# Altium PCB OpenPLCv0.2.0.PcbDoc (part 2 of 6) (continued)
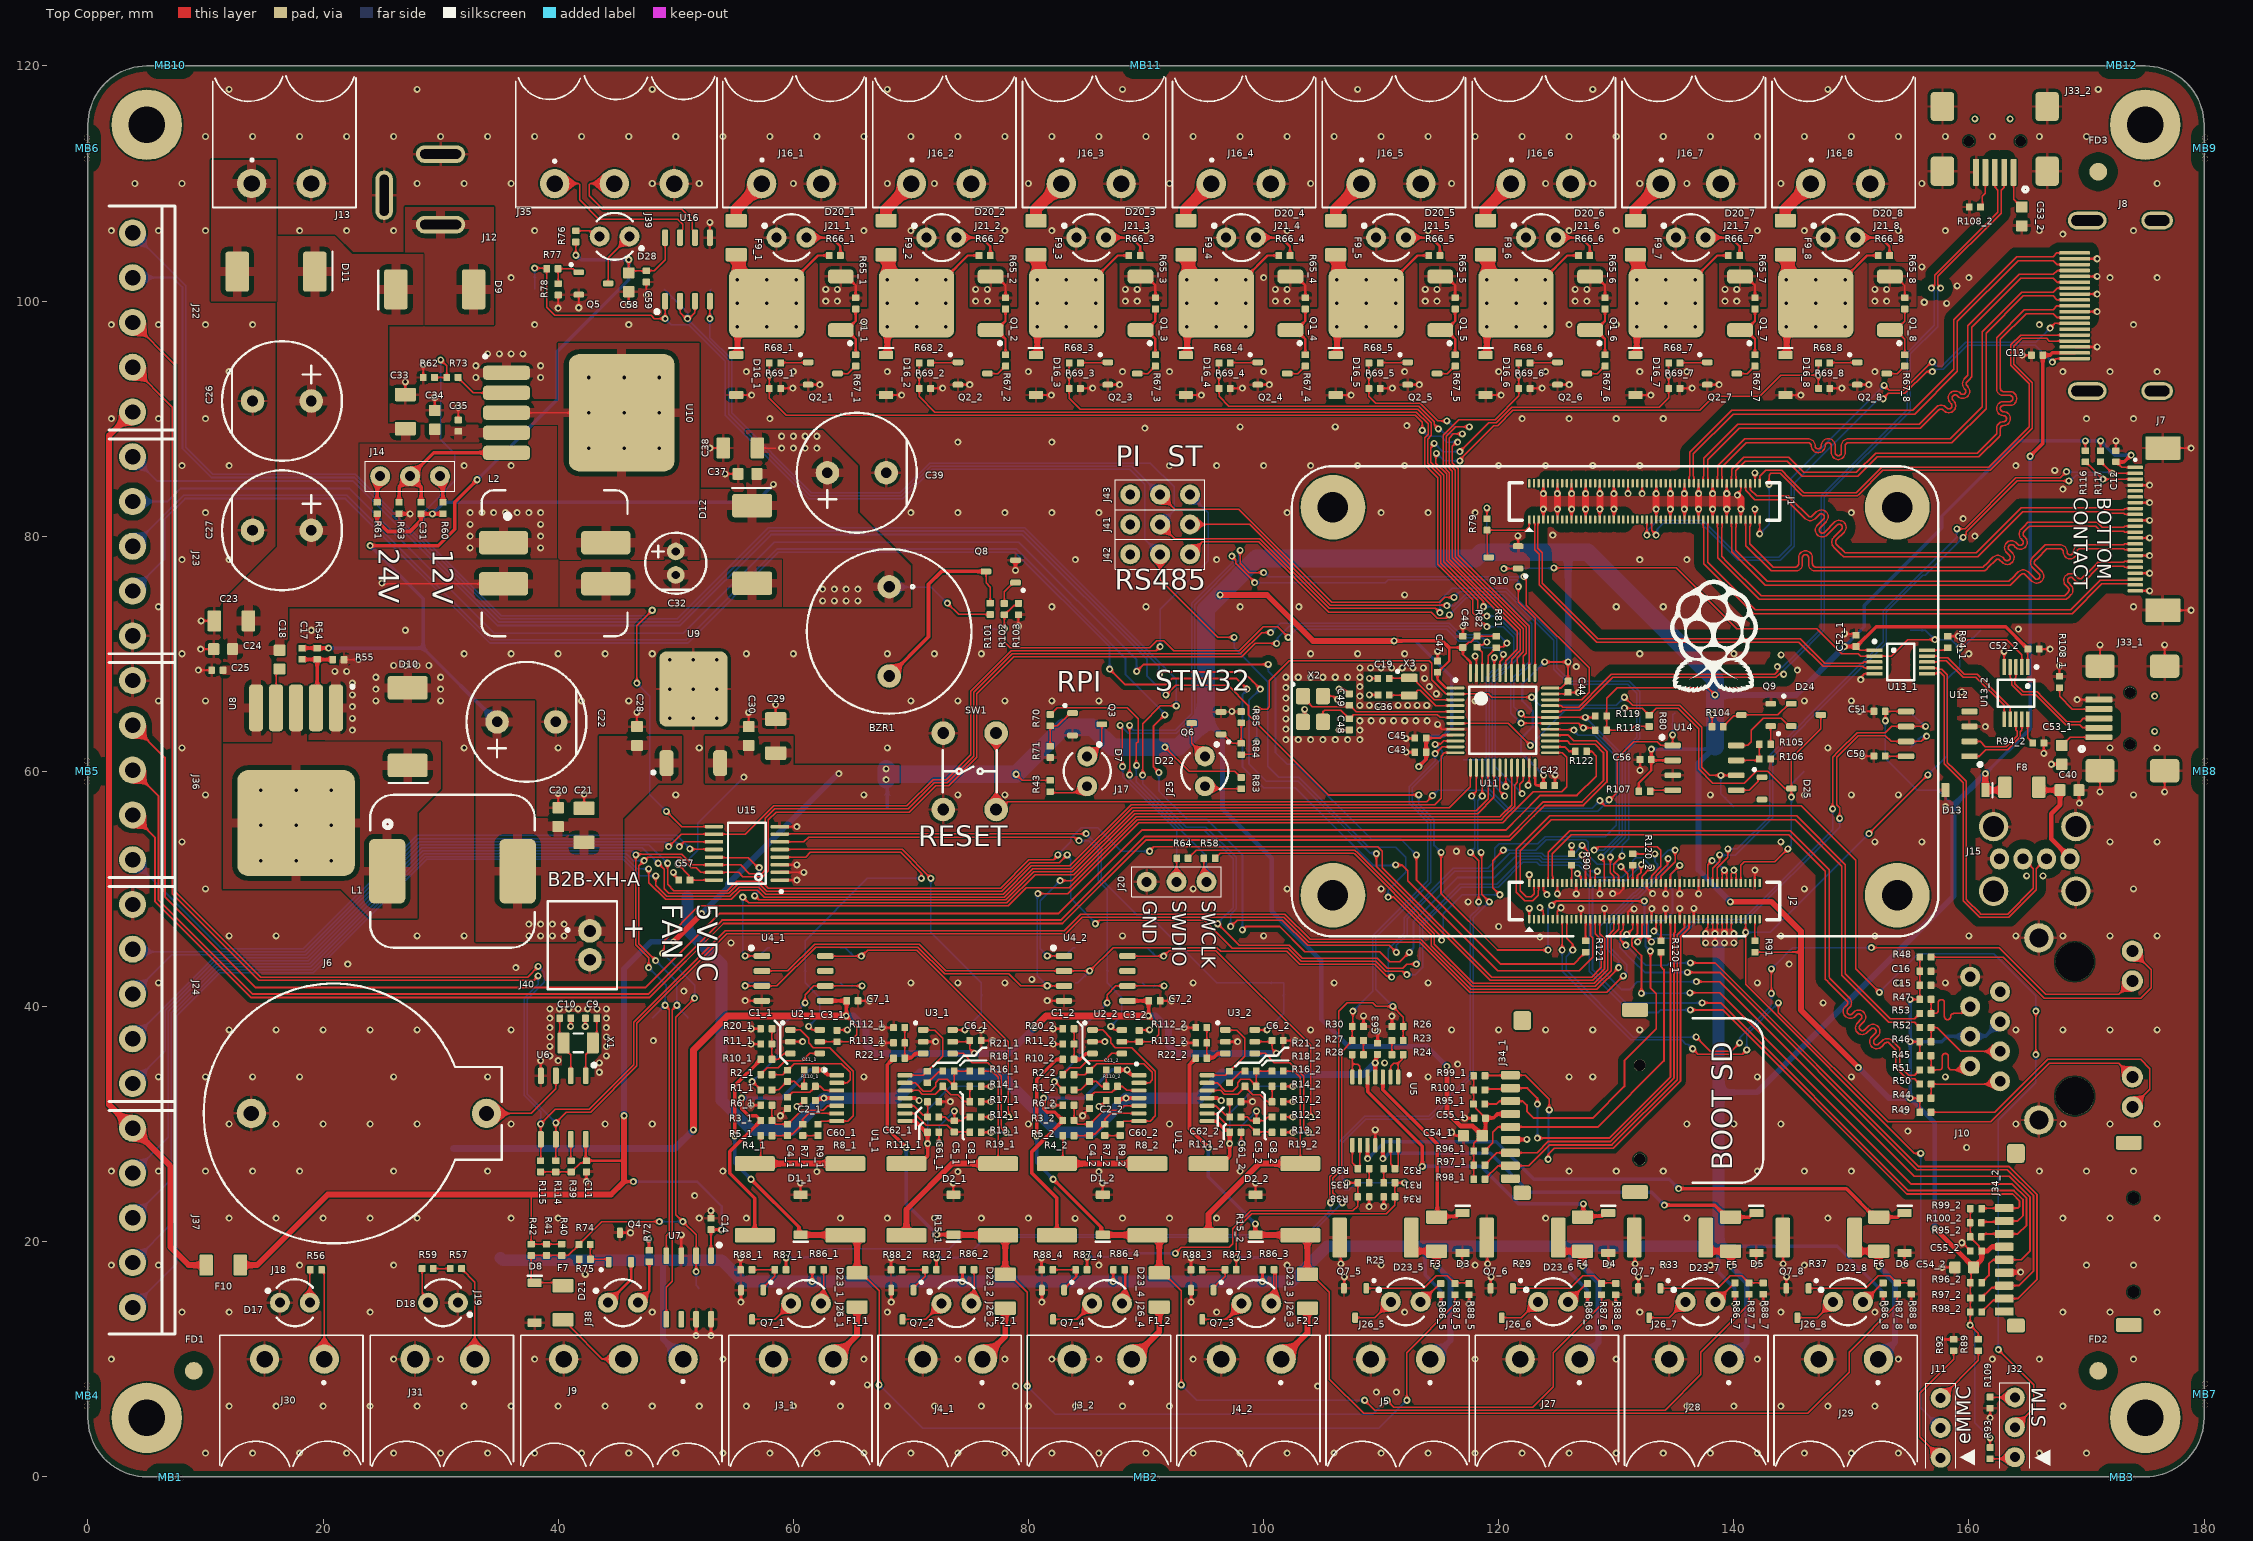
[diagram p0: Top Copper view]
## Footprints (in the part's own frame and the unit in brackets; to place one, negate y for a bottom-side part, rotate by r counter-clockwise, add the part's x,y. Pads: shape width x height; smd on the part's side, far side on the other; paste and mask are expansions set on the pad) (continued)
  silkscreen extent -2.6,-11.5 1.6,11.5, body extent -1.69,-11.3 1.69,11.3, height 2.89
DO-214AB [mm]
  rrect20% 2x3.4 smd: 1(3.3,0) 2(-3.3,0)
  silkscreen extent -4.8,-1.7 -4.8,1.6, body extent -4.08,-3.1 3.97,3.15, height 2.89
Electrolytic_D5mm_H11mm [mm]
  round 1.5 hole 0.7: 1(0,-1) 2(0,1)
  silkscreen extent -2.6,-2.6 2.6,2.6, body extent -2.5,-2.5 2.5,2.5, height 11
Electrolytic_D10mm_H12.5mm [mm]
  round 2 hole 0.9: 1(0,-2.5) 2(0,2.5)
  silkscreen extent -5.1,-5.1 5.1,5.1, body extent -5,-5 5,5, height 12.5
FIDUCIAL [mm]
  round 1.5 smd paste-2539.97 mask+0.65: FID(0,0)
  round 1.5 smd far side paste-2539.97 mask+0.65: FID(0,0)
HDMI-001 [mm] "BOOMELE(Boom Precision Elec) HDMI-001"
  oval 2.7x1.5 hole 0.9 slot 2.1 at 0 deg: 0(-7.01,11.75) 0(-7.01,-2.75)
  oval 3.3x1.5 hole 0.9 slot 2.7 at 0 deg: 0(-1.06,11.75) 0(-1.06,-2.75)
  rrect50% 2.6x0.3 smd: 1(0,0) 2(0,0.5) 3(0,1) 4(0,1.5) 5(0,2) 6(0,2.5) 7(0,3) 8(0,3.5) 9(0,4) 10(0,4.5) 11(0,5) 12(0,5.5) 13(0,6) 14(0,6.5) 15(0,7) 16(0,7.5) 17(0,8) 18(0,8.5) 19(0,9)
  body extent -11.05,-3 0.95,12, height 6.08
HEADER_3POS [mm]
  round 1.7 hole 0.85: 1(0,0) 2(2.54,0) 3(5.08,0)
  silkscreen extent -1.27,-1.27 5.99,1.27, body extent -1.27,-1.27 6.35,1.27, height 11.04
Header_3POS [mm]
  round 1.7 hole 0.85: 1(0,0) 2(2.54,0) 3(5.08,0)
  silkscreen extent -1.27,-1.27 6.35,1.27, body extent -1.27,-1.27 6.35,1.27, height 11.04
HM78D-128470MLFTR [mm]
  rrect30% 2x4.2 smd: 1(1.75,4.35) 2(-1.75,4.35) 3(-1.75,-4.35) 4(1.75,-4.35)
  silkscreen extent -6.2,-6.2 6.2,6.2, body extent -6.25,-6.25 6.25,6.25, height 10.5
HR913550A [mm] "RJ45 12 1 Green - Yellow Through Hole Ethernet Connectors/Modular Connectors (RJ45 RJ11) RoHS"
  round 2.5 hole 1.63: 0(-12.195,3.3) 0(3.295,3.3)
  round 3.25 hole 3.25 unplated: 0(-10.165,6.35) 0(1.265,6.35)
  round 1.7 hole 0.89: 1(0,0) 2(-1.27,-2.54) 3(-2.54,0) 4(-3.81,-2.54) 5(-5.08,0) 6(-6.35,-2.54) 7(-7.62,0) 8(-8.89,-2.54)
  round 1.8 hole 1.02: 9(2.175,11.25) 10(-0.365,11.25) 11(-8.535,11.25) 12(-11.075,11.25)
  body extent -12.55,-4.23 3.61,17.12, height 13.75
K2-1102DP-O4SW-04 [mm]
  round 2 hole 1: 1(-3.25,2.25) 2(3.25,2.25) 3(3.25,-2.25) 4(-3.25,-2.25)
  silkscreen extent -1.8,-2.3 1.8,2.3, body extent -3,-3 3,3, height 11
LED_3MM_SPACED_6.4MM_BLUE [mm]
  round 1.7 hole 0.85: A(1.27,0) K(-1.27,0)
  silkscreen extent -2.44,-2 1.53,2, body extent -1.57,-1.92 1.93,1.92, height 11.79
LED_3MM_SPACED_6.4MM_GREEN [mm]
  round 1.7 hole 0.85: A(1.27,0) K(-1.27,0)
  silkscreen extent -2.44,-2 1.53,2, body extent -1.57,-1.92 1.92,1.92, height 11.79
LED_3MM_SPACED_6.4MM_RED [mm]
  round 1.7 hole 0.85: A(1.27,0) K(-1.27,0)
  silkscreen extent -2.44,-2 1.53,2, body extent -1.57,-1.92 1.93,1.92, height 11.79
LED_3MM_SPACED_6.4MM_YELLOW [mm]
  round 1.7 hole 0.85: A(1.27,0) K(-1.27,0)
  silkscreen extent -2.44,-2 1.53,2, body extent -1.57,-1.92 1.93,1.92, height 11.79
LQFP32_7X7 [mm]
  oval 1.55x0.25 smd: 1(-4.025,2.75) 2(-4.025,2.25) 3(-4.025,1.75) 4(-4.025,1.25) 5(-4.025,0.75) 6(-4.025,0.25) 7(-4.025,-0.25) 8(-4.025,-0.75) 9(-4.025,-1.25) 10(-4.025,-1.75) 11(-4.025,-2.25) 12(-4.025,-2.75) 25(4.025,-2.75) 26(4.025,-2.25) 27(4.025,-1.75) 28(4.025,-1.25) 29(4.025,-0.75) 30(4.025,-0.25) 31(4.025,0.25) 32(4.025,0.75) 33(4.025,1.25) 34(4.025,1.75) 35(4.025,2.25) 36(4.025,2.75)
  oval 0.25x1.55 smd: 13(-2.75,-4.025) 14(-2.25,-4.025) 15(-1.75,-4.025) 16(-1.25,-4.025) 17(-0.75,-4.025) 18(-0.25,-4.025) 19(0.25,-4.025) 20(0.75,-4.025) 21(1.25,-4.025) 22(1.75,-4.025) 23(2.25,-4.025) 24(2.75,-4.025) 37(2.75,4.025) 38(2.25,4.025) 39(1.75,4.025) 40(1.25,4.025) 41(0.75,4.025) 42(0.25,4.025) 43(-0.25,4.025) 44(-0.75,4.025) 45(-1.25,4.025) 46(-1.75,4.025) 47(-2.25,4.025) 48(-2.75,4.025)
  silkscreen extent -4.15,-2.85 2.85,3.55, body extent -4.5,-4.5 4.5,4.5, height 1
MOUSEBITE [mm]
  round 0.5 hole 0.5 unplated: NC(-0.9,-0.1) NC(0.9,-0.1)
  round 0.3 hole 0.3 unplated: NC(-0.4,0) NC(0,0) NC(0.4,0)
MSOP-10 [mm] "TSSOP, 10-Leads, Body 3.00x3.00mm, Pitch 0.50mm, IPC Medium Density"
  rrect30% 1.35x0.3 smd: 1(-2.225,1) 2(-2.225,0.5) 3(-2.225,0) 4(-2.225,-0.5) 5(-2.225,-1) 6(2.225,-1) 7(2.225,-0.5) 8(2.225,0) 9(2.225,0.5) 10(2.225,1)
  silkscreen extent -2.35,-1.55 1.15,1.87, body extent -2.45,-1.5 2.45,1.5, height 1
PAD#1 [mm]
  round 2 smd: 1(0,0)
PAD#2 [mm]
  round 2 smd: 1(-1,-2)
PAD#3 [mm]
  round 2 smd: 1(0,-2)
SFN-1407PA7.6 [mm]
  round 2 hole 1: 1(0,3.8) 2(0,-3.8)
  silkscreen extent -7,-7 7,7, body extent -7,-7 7,7, height 7
SMD_CAP_0402(1005)_N [mm]
  rrect20% 0.57x0.62 smd: 1(-0.48,0) 2(0.48,0)
  body extent -0.5,-0.25 0.5,0.25, height 0.5
SMD_CAP_0603(0201)_N [mm]
  rrect20% 0.95x1 smd: 1(-0.8,0) 2(0.8,0)
  body extent -0.8,-0.4 0.8,0.4, height 0.8
SMD_CAP_1206(3216)_N [mm]
  rrect20% 1.15x1.8 smd: 1(-1.45,0) 2(1.45,0)
  body extent -1.6,-0.8 1.6,0.8, height 1.6
SMD_RES_0402(1005)_N [mm]
  rrect20% 0.57x0.62 smd: 1(-0.48,0) 2(0.48,0)
  body extent -0.75,-0.25 0.75,0.25, height 0.35
SMD_RES_1206(3216)_N [mm]
  rrect20% 1.15x1.8 smd: 1(-1.45,0) 2(1.45,0)
  body extent -1.9,-0.8 1.9,0.8, height 0.6
SMD_RES_2512(6432)_N [mm]
  rrect20% 1.25x3.4 smd: 1(-3.05,0) 2(3.05,0)
  body extent -3.4,-1.55 3.4,1.55, height 0.6
SOD-123FL [mm]
  rrect20% 0.7x1.2 smd: 1(1.7,0) 2(-1.7,0)
  silkscreen extent -2.3,-0.6 -2.3,0.6, body extent -1.81,-0.85 1.81,0.85, height 0.9
SOIC-8-3.9MM [mm]
  rrect50% 1.4x0.5 smd: 1(-2.7,1.905) 2(-2.7,0.635) 3(-2.7,-0.635) 4(-2.7,-1.905) 5(2.7,-1.905) 6(2.7,-0.635) 7(2.7,0.635) 8(2.7,1.905)
  silkscreen extent -3.75,2.45 -3.45,2.75, body extent -2.99,-2.45 2.99,2.45, height 1.35
SOT23-3 [mm]
  rrect50% 0.9x0.5 smd: 1(-1.25,0.95) 2(-1.25,-0.95) 3(1.25,0)
  silkscreen extent -2,1.5 -1.8,1.7, body extent -1.25,-1.5 1.25,1.5, height 1.1
SOT23-6 [mm]
  rrect50% 0.9x0.5 smd: 1(-1.25,1) 2(-1.25,0) 3(-1.25,-1) 4(1.25,-1) 5(1.25,0) 6(1.25,1)
  silkscreen extent -2,1.5 -1.8,1.7, body extent -1.42,-1.5 1.42,1.5, height 1.2
TMPC1206HP-470MG-D [mm] "47uH ±20% 5.5A 80mO SMD,13.5x12.5x5.7mm Power Inductors RoHS"
  rrect30% 3.1x5.5 smd: 1(-5.55,0) 2(5.55,0)
  silkscreen extent -7,-6.5 7,6.5, body extent -6.75,-6.25 6.75,6.25, height 5.7
TO-252 [mm]
  rrect50% 1.2x2.2 smd: 1(-2.28,-6.3) 3(2.28,-6.3)
  rrect20% 5.8x6.4 smd: 2(0,0)
  silkscreen extent -3.54,-7.24 -3.26,-6.96, body extent -3.35,-6.6 3.15,2.5, height 2.4
TO-263-5 [mm] "5 lead TO-263"
  rrect50% 1.2x4 smd: 1(-3.4,-4.9) 2(-1.7,-4.9) 3(0,-4.9) 4(1.7,-4.9) 5(3.4,-4.9)
  rrect20% 10x9 smd: 6(0,4.9)
  silkscreen extent -4.94,-6.84 -4.66,-6.56, body extent -4.91,-5.96 4.91,8.64, height 4.22
TSSOP-14 [mm]
  rrect50% 1.26x0.36 smd: 1(-2.9,1.95) 2(-2.9,1.3) 3(-2.9,0.65) 4(-2.9,0) 5(-2.9,-0.65) 6(-2.9,-1.3) 7(-2.9,-1.95) 8(2.9,-1.95) 9(2.9,-1.3) 10(2.9,-0.65) 11(2.9,0) 12(2.9,0.65) 13(2.9,1.3) 14(2.9,1.95)
  silkscreen extent -4,2.3 -3.8,2.5, body extent -3.15,-2.5 3.15,2.5, height 1
TSSOP-16 [mm]
  rrect50% 1.55x0.3 smd: 1(-2.8,2.275) 2(-2.8,1.625) 3(-2.8,0.975) 4(-2.8,0.325) 5(-2.8,-0.325) 6(-2.8,-0.975) 7(-2.8,-1.625) 8(-2.8,-2.275) 9(2.8,-2.275) 10(2.8,-1.625) 11(2.8,-0.975) 12(2.8,-0.325) 13(2.8,0.325) 14(2.8,0.975) 15(2.8,1.625) 16(2.8,2.275)
  silkscreen extent -3.03,-2.6 1.6,3.35, body extent -3.15,-2.5 3.15,2.5, height 1
WJ124-3.81-5P_BoardEdgeAlt [mm] "Ningbo Kangnex Elec WJ124-3.81-5P"
  round 2.3 hole 1.3: 1(-7.62,0) 2(-3.81,0) 3(0,0) 4(3.81,0) 5(7.62,0)
  silkscreen extent -9.9,-3.6 9.9,2, body extent -9.87,-4.1 9.68,4.1, height 12.7
X05B20L22T [mm]
  rrect50% 1.3x0.3 smd: 1(0,5.25) 2(0,4.75) 3(0,4.25) 4(0,3.75) 5(0,3.25) 6(0,2.75) 7(0,2.25) 8(0,1.75) 9(0,1.25) 10(0,0.75) 11(0,0.25) 12(0,-0.25) 13(0,-0.75) 14(0,-1.25) 15(0,-1.75) 16(0,-2.25) 17(0,-2.75) 18(0,-3.25) 19(0,-3.75) 20(0,-4.25) 21(0,-4.75) 22(0,-5.25)
  rrect10% 3x2 smd: MNT1(2.35,6.9) MNT2(2.35,-6.9)
  silkscreen extent -0.1,5.8 0.1,6, body extent 0.7,-8.6 5.2,8.6, height 2
XKTF-N02-N [mm] "XKB Enterprise XKTF-N02-N SMD Card Sockets Connectors RoHS"
  rrect30% 0.7x1.6 smd: 1(0,0) 2(-1.1,0) 3(-2.2,0) 4(-3.3,0) 5(-4.4,0) 6(-5.5,0) 7(-6.6,0) 8(-7.7,0) CD(-8.8,0)
  round 1 hole 1 unplated: NC(-7.15,-11) NC(0.85,-11)
  rrect30% 1.2x1.5 smd: S1(-10,-1)
  rrect30% 1.2x2.2 smd: S2(-9.95,-10.6) S3(5.55,-10.6)
  rrect30% 1.6x1.5 smd: S4(4.65,-1)
  body extent -9.57,-15 5.17,-0.5, height 1

## Part data
BZR1: "Piezo YES 3300±500Hz 85dB @ 24V, 10cm 24V Φ23.5mm Through Hole Buzzers RoHS"
C1_1 C1_2 C4_1 C4_2 C5_1 C5_2 C8_1 C8_2 C41_1 C41_2 C47 C60_1 C60_2 C61_1 C61_2 C62_1 C62_2: library part "10nF 0402 50V 10%", "10nF ±10% 50V X7R 0402 Multilayer Ceramic Capacitors MLCC - SMD/SMT RoHS", Capacitance=10nF, Package=0402, Tolerance=10%, Voltage Rating=50V
C2_1 C2_2 C9 C10 C15 C16 C25 C35 C63: library part "100nF 0402 50V 10%", "100nF ±10% 50V X5R 0402 Multilayer Ceramic Capacitors MLCC - SMD/SMT RoHS", Capacitance=100nF, Package=0402, Tolerance=10%, Voltage Rating=50V
C3_1 C3_2 C6_1 C6_2 C7_1 C7_2 C11 C12 C13 C14 C42 C43 C44 C45 C46 C50 C51 C52_1 C52_2 C55_1 C55_2 C56 C57 C59: library part "100nF 0402 10V 10%", "100nF ±10% 10V X5R 0402 Multilayer Ceramic Capacitors MLCC - SMD/SMT RoHS", Capacitance=100nF, Package=0402, Tolerance=10%, Voltage Rating=10V
C17 C31: library part "33nF 0402 50V 10%", "33nF ±10% 50V X7R 0402 Multilayer Ceramic Capacitors MLCC - SMD/SMT RoHS", Capacitance=33nF, Package=0402, Tolerance=10%, Voltage Rating=50V
C18 C20 C24 C28 C30 C34 C37 C54_1 C54_2 C58: library part "1uF 0603 50V 10%", "1uF ±10% 50V X5R 0603 Multilayer Ceramic Capacitors MLCC - SMD/SMT RoHS", Capacitance=1uF, Package=0603, Tolerance=10%, Voltage Rating=50V
C19 C36: library part "20pF 0402 50V 5%", "20pF ±5% 50V NP0 0402 Multilayer Ceramic Capacitors MLCC - SMD/SMT RoHS", Capacitance=20pF, Package=0402, Tolerance=5%, Voltage Rating=50V
C21 C23 C29 C33 C38: library part "10uF 1206 50V 10%", "10uF ±10% 50V X5R 1206 Multilayer Ceramic Capacitors MLCC - SMD/SMT RoHS", Capacitance=10uF, Package=1206, Tolerance=10%, Voltage Rating=50V
C22 C26 C27 C39: "5mm 220uF 50V 12.5mm 2000hrs 85℃ ±20% 10mm Radial Leaded,10x12.5mm Aluminum Electrolytic Capacitors - Leaded ROHS", Capacitance=220uF, Tolerance=20%, Voltage Max=35V
C32: "2mm 22uF 50V ±20% 5mm 11mm 79mA 120Hz 1000hrs 105℃ Radial Leaded,5x11mm Aluminum Electrolytic Capacitors - Leaded ROHS", Capacitance=22uF, Tolerance=20%, Voltage Max=35V
C40 C53_1 C53_2: library part "4.7uF 0603 10V 10%", "4.7uF ±10% 10V X5R 0603 Multilayer Ceramic Capacitors MLCC - SMD/SMT RoHS", Capacitance=4.7uF, Package=0603, Tolerance=10%, Voltage Rating=10V
C48 C49: library part "12pF 0402 50V 5%", "12pF ±5% 50V NP0 0402 Multilayer Ceramic Capacitors MLCC - SMD/SMT RoHS", Capacitance=12pF, Package=0402, Tolerance=5%, Voltage Rating=50V
D1_1 D1_2 D2_1 D2_2 D3 D4 D5 D6 D16_1 D16_2 D16_3 D16_4 D16_5 D16_6 D16_7 D16_8: "Unidirectional 22V 24.4V 35.5V 5.6A SOD-123F TVS RoHS"
D7 D22: "LED 3mm Blue 460nm~470nm 2.7V~3.6V Through Hole Light Emitting Diodes (LED) RoHS C330760"
D8: "Unidirectional 3.3V 5.2V 8V 25A SOD-123 TVS RoHS"
D9 D10 D11 D12: "60V 10A 850mV @ 10A SMC(DO-214AB) Schottky Barrier Diodes (SBD) RoHS"
D13: "Unidirectional 5V 6.4V 9.2V 21.8A SMF(SOD123FL) TVS RoHS"
D17 D18: "LED 3mm Red 620nm~630nm 1.8V~2.6V Through Hole Light Emitting Diodes (LED) RoHS C331031"
D20_1 D20_2 D20_3 D20_4 D20_5 D20_6 D20_7 D20_8 D23_1 D23_2 D23_3 D23_4 D23_5 D23_6 D23_7 D23_8: "LED 3mm Green 515nm~530nm 1.8V~3.6V Through Hole Light Emitting Diodes (LED) RoHS C330751"
D21 D28: "600nm~610nm 1.8V~2.6V - - Through Hole Light Emitting Diodes (LED) ROHS 3mm"
D24 D25: "30V 200mA 320mV @ 1mA SOT-23(SOT-23-3) Schottky Barrier Diodes (SBD) RoHS"
F1_1 F1_2 F2_1 F2_2 F3 F4 F5 F6 F7: "60V 150mA 1.5s 1206 PTC Resettable Fuses RoHS"
F8 F9_1 F9_2 F9_3 F9_4 F9_5 F9_6 F9_7 F9_8 F10: "Polymeric 30V 500mA 0.08s 700mΩ 1206 PTC Resettable Fuses RoHS"
J1 J2: "Conn Board to Board RCP 100 POS 0.4mm Solder ST SMD T/R"
J3_1 J3_2 J4_1 J4_2 J5 J13 J16_1 J16_2 J16_3 J16_4 J16_5 J16_6 J16_7 J16_8 J27 J28 J29 J30 J31: "Covered（4Sided） 2 1 0.200\"（5.08mm） 2 P=5.08mm Pluggable System Terminal Block RoHS"
J6: "DIP Battery Box/Battery Holders ROHS"
J7: "22 0.020\"（0.50mm） 0.079\"（2.00mm） Slide Lock Contact,Bottom SMD,P=0.5mm FFC, FPC Connectors ROHS"
J8: "BOOMELE(Boom Precision Elec) HDMIconnector 19 Female Horizontal SMD Audio & Video Connectors RoHS"
J9 J35: "Covered（4Sided） 3 1 0.200\"（5.08mm） 3 P=5.08mm Pluggable System Terminal Block RoHS"
J10: "RJ45 12 1 Green - Yellow Through Hole Ethernet Connectors/Modular Connectors (RJ45 RJ11) RoHS"
J11 J14 J20 J32 J41 J42 J43: library part "3-way Jumper", "Pin Header 3 1 right-angle，180degrees 2.54mm Through Hole,P=2.54mm Pin Header & Female Header RoHS"
J12: "Through Hole AC/DC Power Plugs & Receptacles RoHS"
J15: "USB - Type A Female USB 2 4 Through Hole USB Connectors RoHS"
J17 J18 J19 J21_1 J21_2 J21_3 J21_4 J21_5 J21_6 J21_7 J21_8 J25 J26_1 J26_2 J26_3 J26_4 J26_5 J26_6 J26_7 J26_8 J38 J39: "3mm LED spacer 6.4mm height"
J22 J23 J24 J36 J37: "5 Wiring Board - Line to Board 0.150\"(3.81mm) 5 1 P=3.81mm Screw terminal ROHS"
J33_1 J33_2: "USB - Mini B Female USB 2 5 SMD USB Connectors RoHS"
J34_1 J34_2: "XKB Enterprise XKTF-N02-N   / SMD Card Sockets Connectors RoHS"
J40: "Pin Header, Vertical, Wire-to-Board, 2.5 mm, 1 Rows, 2 Contacts, Through Hole Straight, XH Series"
L1: "47uH ±20% 5.5A 80mΩ SMD,13.5x12.5x5.7mm Power Inductors RoHS", Current Max=5.5A, DC Resistance=80mR, inductance=47uH, Saturation Current=7A, Size=13.5x12.5x5.7mm
L2: "Coupled Inductors 47uH 20%", Current Max=5.2A, DC Resistance=90mR, Parallel Inductance=47uH, Size=12.5x12.5x8.05mm
Q1_1 Q1_2 Q1_3 Q1_4 Q1_5 Q1_6 Q1_7 Q1_8: "P-Channel 30V 19A 3V @ 250uA 50mΩ @ 10A,10V 30W TO-252-2(DPAK) MOSFET RoHS"
Q2_1 Q2_2 Q2_3 Q2_4 Q2_5 Q2_6 Q2_7 Q2_8 Q3 Q5 Q6 Q7_1 Q7_2 Q7_3 Q7_4 Q7_5 Q7_6 Q7_7 Q7_8 Q8 Q9 Q10: "NPN 200mA 40V 250mW SOT-23(SOT-23-3) Transistors (NPN/PNP) RoHS"
Q4: "SOT-23(SOT-23-3) Bipolar Transistors - BJT ROHS PNP"
R1_1 R1_2 R2_1 R2_2 R3_1 R3_2 R5_1 R5_2 R12_1 R12_2 R13_1 R13_2 R14_1 R14_2 R16_1 R16_2 R26 R30 R34 R38 R39 R54 R56 R62 R66_1 R66_2 R66_3 R66_4 R66_5 R66_6 R66_7 R66_8 R68_1 R68_2 R68_3 R68_4 R68_5 R68_6 R68_7 R68_8 R71 R75 R78 R79 R80 R81 R82 R85 R88_1 R88_2 R88_3 R88_4 R88_5 R88_6 R88_7 R88_8 R89 R92 R93 R94_1 R94_2 R95_1 R95_2 R96_1 R96_2 R97_1 R97_2 R98_1 R98_2 R99_1 R99_2 R100_1 R100_2 R103 R104 R106 R107 R108_1 R108_2 R109 R110_1 R110_2 R111_1 R111_2 R114 R115 R116 R117 R118 R119: library part "10K 0402 1% 1/16W", "10kΩ ±1% 1/16W ±100ppm/℃ 0402 Chip Resistor - Surface Mount RoHS", Package=0402, Power Rating=1/16W, Resistance=10K, Tolerance=1%
R4_1 R4_2 R8_1 R8_2 R15_1 R15_2 R19_1 R19_2: library part "47R 2512 1% 1W", "47Ω ±1% 1W ±100ppm/℃ 2512 Chip Resistor - Surface Mount RoHS", Package=2512, Power Rating=1W, Resistance=47R, Tolerance=1%
R6_1 R6_2 R7_1 R7_2 R10_1 R10_2 R17_1 R17_2 R18_1 R18_2 R22_1 R22_2 R24 R28 R32 R36: library part "47K 0402 1% 1/16W", "47kΩ ±1% 1/16W ±100ppm/℃ 0402 Chip Resistor - Surface Mount RoHS", Package=0402, Power Rating=1/16W, Resistance=47K, Tolerance=1%
R9_1 R9_2 R11_1 R11_2 R20_1 R20_2 R21_1 R21_2 R23 R27 R31 R35 R112_1 R112_2 R113_1 R113_2: library part "22K 0402 1% 1/16W", "22kΩ ±1% 1/16W ±100ppm/℃ 0402 Chip Resistor - Surface Mount RoHS", Package=0402, Power Rating=1/16W, Resistance=22K, Tolerance=1%
R25 R29 R33 R37: library part "470R 2512 1% 1W", "470Ω ±1% 1W ±100ppm/℃ 2512 Chip Resistor - Surface Mount RoHS", Package=2512, Power Rating=1W, Resistance=470R, Tolerance=1%
R40 R41 R42: library part "4K7 0402 1% 1/16W", "4.7kΩ ±1% 1/16W ±100ppm/℃ 0402 Chip Resistor - Surface Mount RoHS", Package=0402, Power Rating=1/16W, Resistance=4.7K, Tolerance=1%
R43 R48 R49 R57 R58 R59 R64 R67_1 R67_2 R67_3 R67_4 R67_5 R67_6 R67_7 R67_8 R70 R72 R73 R74 R76 R77 R83 R84 R86_1 R86_2 R86_3 R86_4 R86_5 R86_6 R86_7 R86_8 R87_1 R87_2 R87_3 R87_4 R87_5 R87_6 R87_7 R87_8 R102 R105: library part "470R 0402 1% 1W", "470Ω ±1% 1/16W ±100ppm/℃ 0402 Chip Resistor - Surface Mount RoHS", Package=0402, Power Rating=1W, Resistance=470R, Tolerance=1%
R44 R45 R46 R47 R120_1 R120_2 R121 R122: library part "49R9 0402 1% 1/16W", "49.9Ω ±1% 1/16W ±100ppm/℃ 0402 Chip Resistor - Surface Mount RoHS", Package=0402, Power Rating=1/16W, Resistance=49.9R, Tolerance=1%
R50 R51 R52 R53 R90 R91: library part "0R 0402 1% 1/16W", "0Ω ±1% 1/16W 0402 Chip Resistor - Surface Mount RoHS", Package=0402, Power Rating=1/16W, Resistance=0R, Tolerance=1%
R55: library part "3K3 0402 1% 1/16W", "3.3kΩ ±1% 1/16W ±100ppm/℃ 0402 Chip Resistor - Surface Mount RoHS", Package=0402, Power Rating=1/16W, Resistance=3.3K, Tolerance=1%
R60: library part "24K 0402 1% 1/16W", "24kΩ ±1% 1/16W ±100ppm/℃ 0402 Chip Resistor - Surface Mount RoHS", Package=0402, Power Rating=1/16W, Resistance=24K, Tolerance=1%
R61: library part "49K9 0402 1% 1/16W", "49.9kΩ ±1% 1/16W ±100ppm/℃ 0402 Chip Resistor - Surface Mount RoHS", Package=0402, Power Rating=1/16W, Resistance=49.9K, Tolerance=1%
R63: library part "2K74 0402 1% 1/16W", "2.74kΩ ±1% 1/16W ±100ppm/℃ 0402 Chip Resistor - Surface Mount RoHS", Package=0402, Power Rating=1/16W, Resistance=2.74K, Tolerance=1%
R65_1 R65_2 R65_3 R65_4 R65_5 R65_6 R65_7 R65_8 R69_1 R69_2 R69_3 R69_4 R69_5 R69_6 R69_7 R69_8 R101: library part "100K 0402 1% 1/16W", "100kΩ ±1% 1/16W ±100ppm/℃ 0402 Chip Resistor - Surface Mount RoHS", Package=0402, Power Rating=1/16W, Resistance=100K, Tolerance=1%
SW1: "6x6x11mm Through Hole Tactile Switches ROHS"
TP1 TP2 TP3 TP4_1 TP4_2 TP5_1 TP5_2 TP6_1 TP6_2 TP7 TP8 TP9 TP11_1 TP11_2 TP13 TP14 TP15 TP16 TP19 TP21 TP22_1 TP22_2 TP22_3 TP22_4 TP22_5 TP22_6 TP22_7 TP22_8 TP25 TP26 TP27 TP28 TP35_1 TP35_2 TP42 TP44 TP45 TP46 TP47 TP48 TP49 TP50: library part "Test point"
U1_1 U1_2 U5: "General Purpose 4 3V ~ 32V, ±1.5V ~ 16V 1MHz 0.6 V/us TSSOP-14 Operational Amplifiers RoHS"
U2_1 U2_2 U3_1 U3_2: "5.5Ω, 400MHz Bandwidth, SPDT Analog Switch SOT23-6"
U4_1 U4_2: "Digital To Analog Converters (DACs) 16bit I2S"
U6: "HGSEMI SOP-8 Pre-ordered Chips RoHS"
U7: "Single-Channel 1-Wire Master"
U8: "XLSEMI 5A 180KHz 36V Buck DC to DC Converter"
U9: "Fixed 6V 3.3V 700mV @ 1A TO-252 Dropout Regulators(LDO) RoHS"
U10: "XLSEMI 180KHz 60V 5A Switching Current Boost / Buck-Boost / Inverting DC/DC Converter"
U11: "Mainstream Performance line, Arm Cortex-M3 MCU with 64 Kbytes of Flash memory, 72 MHz CPU, motor control, USB and CAN"
U12: "Transceiver USB 2.0 2Mbps SOP-8_150mil USB ICs RoHS"
U13_1 U13_2: "MSOP-10 USB ICs RoHS"
U14: "SIOC-8 Monitors & Reset Circuits ROHS, 2.63V, -40°C to 85°C (copy of MAX706P)"
U15: "SOP16 Interface - I/O Expanders ROHS (PCF8754 clone)"
U16: "SOIC-8_150mil RS-485/RS-422 ICs ROHS (MAX485 clone)"
X1: "32.768KHz ±20ppm 12.5pF 70kΩ SMD-3215_2P SMD Crystal Resonators RoHS", Load capacitance=12.5pF, Package=3215
X2: "8MHz ±10ppm 8pF 200Ω SMD-3225_4P SMD Crystal Resonators RoHS"
X3: "32.768KHz ±20ppm 12.5pF 70kΩ SMD-2012_2P SMD Crystal Resonators RoHS"

## Free pads (board coordinates)
  round 6 hole 3.1: NC(5,5) NC(5,115) NC(175,5) NC(175,115)
  round 5.5 hole 2.6: NC(105.9,49.46) NC(105.9,82.46) NC(153.9,49.46)
  round 5.5 hole 2.6 unplated: NC(153.9,82.46)

## Via types
v1: diameter 0.6, hole 0.3, Top Copper to Bottom Copper, tented both sides, 1296 vias
v2: diameter 0.7, hole 0.3, Top Copper to Bottom Copper, tented bottom, 99 vias

## Nets (pads, with @x,y where several pads share a name; then routed paths per layer and width w, separated by ;. In a path a pad name is that pad's centre, name@x,y a point inside that pad or via, vN(x,y) a via of type N, cw(c..) or ccw(c..) an arc to the next point about the centre after c; other vN are vias at no path point)
3V3: C11.2 C12.2 C14.2 C15.2 C16.2 C29.2 C30.2 C42.2 C43.2 C44.2 C45.2 C46.2 C47.2 C52_1.2 C52_2.2 C54_1.2 C54_2.2 C55_1.2 C55_2.2 C56.2 C57.2 F10.1 J7.1 J10.4 J10.5 J34_1.4 J34_2.4 R39.1 R40.2 R41.2 R42.2 R43.1 R44.2 R45.2 R46.2 R47.2 R48.2 R49.2 R79.1 R80.2 R81.2 R82.2 R83.1 R89.2 R91.1 R93.2 R95_1.2 R95_2.2 R96_1.2 R96_2.2 R97_1.2 R97_2.2 R98_1.2 R98_2.2 R99_1.2 R99_2.2 R100_1.2 R100_2.2 R104.2 R107.2 R114.2 R115.2 R116.2 R117.2 R118.2 R119.2 TP2.1 U6.8 U7.1 U9.3 U11.1 U11.9 U11.24 U11.36 U11.48 U13_1.1 U13_2.1 U14.2 U15.16 | length 596.7
  Top Copper w0.127: 37.7,23.906 R42.2@37.7,19.78 R41.2@39,19.78 R40.2@40.3,19.78 ; R115.2@38.5,25.92 R114.2@39.8,25.92 R39.1@41.1,25.92 41.125,25.92 41.899,26.695 42.215,26.695 C11.2@42.4,26.88 ; v1@50.2,52.1 51.124,51.176 51.124,50.836 C57.2@51.21,50.75 U15.16@53.25,50.75 ; C14.2@53,21.02 C14.2@53.005,21.015 ; v1(78.95,59.75) 79.47,59.23 R43.1@81.85,59.23 ; v1(91.605,62.056) 93.661,60 97.555,60 98.075,59.48 R83.1@98.1,59.48 ; C45.2@113.83,62.855 115.055,62.855 ; U11.9@116.044,63.08 U11.9@116.325,63.08 ; C46.2@116.975,70.53 117.445,71 117.615,71 R82.2@118.125,71.51 ; R99_1.2@117.86,34.09 117.86,31.71 R95_1.2@117.85,31.7 118.054,31.496 118.054,31.326 118.634,30.746 118.658,30.746 C55_1.2@118.88,30.525 ; R98_1.2@117.87,25.3 R97_1.2@117.87,26.5 R96_1.2@117.87,27.7 117.87,28.345 118.575,29.05 118.6,29.075 C54_1.2@118.6,29.1 ; R82.2@118.15,71.51 118.165,71.495 119.785,71.495 R81.2@119.8,71.48 ; R79.1@119,81.48 v1(119,82.4) ; U11.36@124.375,67.08 125.3,67.08 125.653,67.433 125.653,67.458 125.875,67.68 C44.2@125.9,67.68 ; R80.2@132.8,63.82 131.52,63.82 131.2,63.5 R118.2@129.18,63.5 R119.2@129.18,64.7 129.18,66.223 130.068,67.111 137.789,67.111 v1(138.4,66.5) ; R104.2@138.15,63.797 v1(138.15,64.85) ; R91.1@141.8,44.62 145.7,44.62 ; C52_1.2@150.425,70.62 150.745,70.3 U13_1.1@151.975,70.3 ; v1(155,32.2) R44.2@155.82,32.2 R49.2@155.82,31 ; v1(155,37) R46.2@155.82,37 R45.2@155.82,35.8 ; v1(155,40.6) R47.2@155.82,40.6 C15.2@155.82,41.8 C16.2@155.82,43 R48.2@155.82,44.2 ; R95_2.2@160.1,20.4 160.1,20.375 160.858,19.617 160.858,19.422 C55_2.2@161.08,19.2 ; R95_2.2@160.12,20.4 R99_2.2@160.12,22.8 ; C54_2.2@160.4,17.825 160.184,17.609 160.184,16.564 R96_2.2@160.12,16.5 R97_2.2@160.12,15.2 R98_2.2@160.12,14 160.1,13.98 v1(160.1,12.9) 160.8,12.2 R89.2@160.8,11.68 ; R93.2@161.8,2.48 v1(161.8,3.3) ; U13_2.1@165,68.875 165,70.38 C52_2.2@165.02,70.4 ; R116.2@169.9,87.28 v1(169.9,88.1) ; R117.2@171.2,87.28 v1(171.2,88.1) ; C12.2@172.5,86.32 172.525,86.32 172.995,85.85 J7.1@174.15,85.85
  Top Copper w0.2: U6.8@42.34,28.7 42.34,26.94 C11.2@42.4,26.88 45.504,26.88 45.6,26.976 ; 45.6,25.1 v1(46.4,25.1) ; U7.1@53.005,18.8 53.003,18.802 53.003,21.013 53.005,21.015 53.01,21.01 53.89,21.01 v1(53.9,21) ; C45.2@113.83,62.83 115.03,62.83 115.055,62.855 115.28,63.08 U11.9@116.044,63.08 ; 115.77,70.53 115.83,70.53 ; U11.1@116.325,67.08 116.315,67.09 115.51,67.09 114.8,67.8 C47.2@114.8,68.42 114.825,68.42 115.8,69.395 115.8,70.5 115.83,70.53 ; U11.48@117.6,68.355 117.6,69.3 116.95,69.95 C46.2@116.95,70.53 115.83,70.53 ; U11.24@123.1,60.305 123.1,59.31 123.102,59.308 123.102,58.917 123.219,58.8 C42.2@123.82,58.8 ; C42.2@123.82,58.825 v1(123.82,59.68) ; v1(123.9,69.3) v1(125.9,69.3) C44.2@125.9,67.68 ; R107.2@131.92,58.297 131.92,59.004 132.98,60.064 C56.2@132.98,60.947 ; v1(132.98,61.88) C56.2@132.98,61 C56.2@132.98,60.947 ; U14.2@134.8,60.932 132.995,60.932 C56.2@132.98,60.947
  Top Copper w0.3: v1(111.1,71.1) 115.2,71.1 115.77,70.53 ; v1(113.2,60.4) 113.83,61.03 C45.2@113.83,62.83 ; C54_1.2@118.6,29.1 118.88,29.38 C55_1.2@118.88,30.5 118.88,30.525 119.575,30.525 119.9,30.85 J34_1.4@121,30.85 ; v1(149.4,70.6) 149.41,70.61 150.415,70.61 C52_1.2@150.425,70.62 ; C52_1.2@150.4,70.62 C52_1.2@150.425,70.62 ; C52_2.2@165.02,70.4 165.02,70.425 164.885,70.56 164.86,70.56 163.12,72.3 152.105,72.3 C52_1.2@150.425,70.62 ; C12.2@172.525,86.32 173.22,86.32 v1(173.8,86.9)
  Top Copper w0.4: v1(115.6,34.9) 115.6,31 116.773,29.827 117.798,29.827 118.575,29.05 118.6,29.025 C54_1.2@118.6,29 ; v1(157.1,21.125) 160.4,17.825 160.675,18.1 160.7,18.1 161.08,18.48 C55_2.2@161.08,19.2 161.6,19.2 161.95,19.55 J34_2.4@163,19.55
  Top Copper w0.5: F10.1@12.95,18 14.393,18 20.393,24 44.5,24 45.6,25.1 45.6,26.976 v1(45.6,30.7) ; v1(49.8,45.5) v1(52.2,47.9) ; v1(96.3,75) 100.3,75 104.2,71.1 v1(111.1,71.1) ; v1(139.7,48.9) 143.2,48.9 145.7,46.4 145.7,39.7 v1(150.6,34.8)
  Bottom Copper w0.127: v1(50.195,52.095) 50.701,52.095 51.875,53.27 51.875,55.575 v1(55.8,59.5) ; 118.541,78.641 119,79.1 v1(119,82.4) ; v1(160.1,12.9) 160.5,12.5 160.5,4.6 v1(161.8,3.3)
  Bottom Copper w0.2: v1(46.4,25.1) 51.8,25.1 53.9,23 v1(53.9,21) ; v1(123.82,59.68) 121.9,61.6 121.9,62.8 122.9,63.8 122.9,65.1 122,66 122,67.4 v1(123.9,69.3)
  Bottom Copper w0.3: v1(67.9,59.3) 67.9,59.219 68,59.119 TP2.1@68,57 ; v1(111.1,71.1) 112.9,71.1 116,68 116,63.7 115.301,63.001 114.317,63.001 113.8,62.484 113.8,61 v1(113.2,60.4) ; v1(132.98,61.88) 138.18,61.88 ; v1(149.4,70.6) 151.1,72.3 151.1,74.1 157.7,80.7 157.7,81.7 164.1,88.1 v1(169.9,88.1) v1(171.2,88.1) 172.4,86.9 v1(173.8,86.9) ; v1(155,32.2) v1(155,37) ; v1(155,40.6) v1(155,37) ; J10.5@162.65,38.715 161.41,37.475 160.14,37.475 J10.4@160.11,37.445 158.145,37.445 157.7,37 v1(155,37)
  Bottom Copper w0.4: 95.1,64.4 96.5,63 96.5,56.8 100.7,52.6 100.7,48.1 104.9,43.9 104.9,38.9 107.2,36.6 113.9,36.6 v1(115.6,34.9) ; v1(155,32.2) 157.1,30.1 v1(157.1,21.125)
  Bottom Copper w0.5: v1(45.6,30.7) 45.6,43.2 47.9,45.5 v1(49.8,45.5) ; v1(52.2,47.9) 54.419,50.119 54.419,50.401 63.799,59.781 63.859,59.781 v1(63.878,59.8) ; 138.4,62.1 138.18,61.88 137,60.7 137,51.6 v1(139.7,48.9) ; v1(138.4,66.5) 145.3,66.5 v1(149.4,70.6) ; v1(150.6,34.8) 153.2,32.2 v1(155,32.2)
  Bottom Copper w0.55: v1(125.9,69.3) 125.9,78.641
  Bottom Copper w1.5: v1(67.9,59.3) v1(67.9,60.2) 68.35,59.75 v1(78.95,59.75) 82.959,63.759 85.441,63.759 87.153,62.047 91.595,62.047 v1(91.605,62.056) 92.756,62.056 95.1,64.4 95.1,73.8 v1(96.3,75) 99.4,78.1 118,78.1 118.541,78.641 125.9,78.641 127.591,78.641 138.4,67.832 v1(138.4,66.5) 138.4,62.1
3V3_OUT: F10.2 J22.1 J37.5 | length 77.7
  Top Copper w0.5: J22.1@3.8,90.56 1.8,88.56 1.8,31.64 J37.5@3.8,29.64 7,26.44 7,19.562 8.562,18 F10.2@10.05,18